# KiCad board AWS PROJECT.kicad_pcb
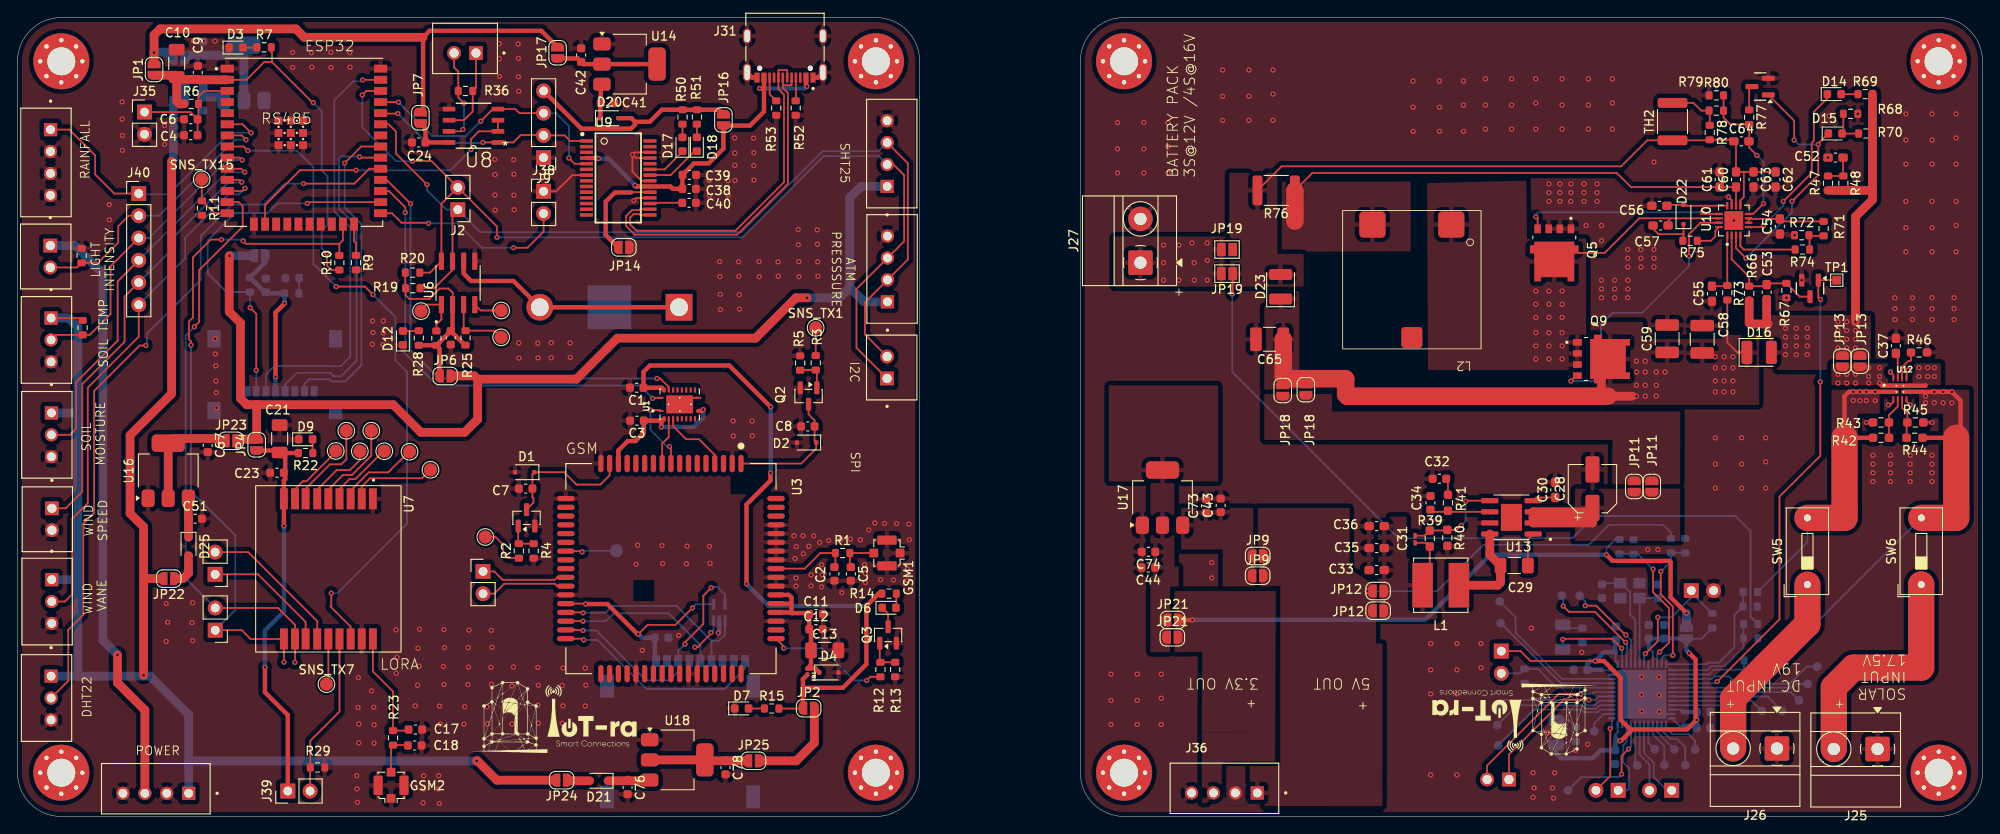
[diagram p0: board, top side]
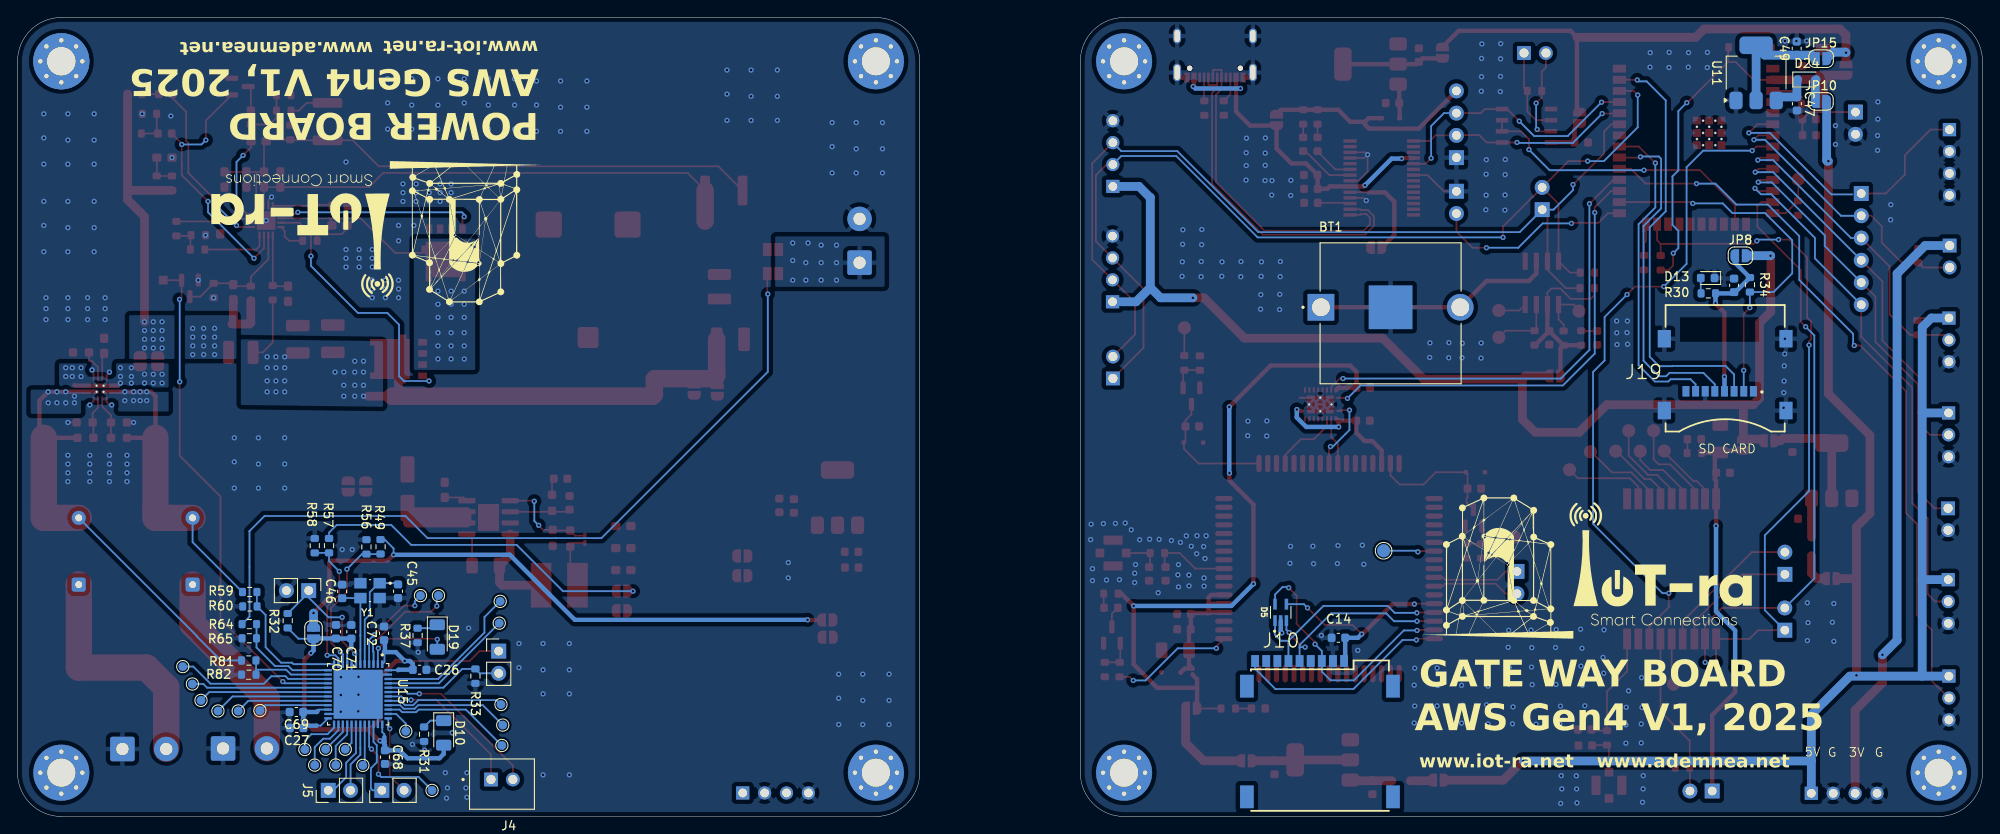
[diagram p1: board, bottom side, seen from below]

Outline 224.34 x 91.25 mm; copper layers: Top, Bottom. Coordinates in mm from the lower left corner of the outline.
Outline path: 224.34,86.25 arc(222.87,89.79) 219.34,91.25 126.34,91.25 arc(122.8,89.79) 121.34,86.25 121.34,5 arc(122.8,1.47) 126.34,0 219.34,0 arc(222.87,1.47) 224.34,5 224.34,86.25 ; 0,86.25 0,5 arc(1.46,1.46) 5,0 98,0 arc(101.54,1.46) 103,5 103,86.25 arc(101.54,89.79) 98,91.25 5,91.25 arc(1.46,89.79) 0,86.25
Stack: Top 0.035mm / dielectric 1.51mm FR4 er 4.5 / Bottom 0.035mm

## Placement (name value [footprint] x y rotation side)
BT1  BHX1-1225-PC  [BAT_BHX1-1225-PC]  67.58 58.16 180 bottom
C1  0.1uF  [C_0603_1608Metric]  70.69 48.97 180 top
C2  Cm  [C_0603_1608Metric]  93.26 27.71 270 top  (not fitted)
C3  0.1uF  [C_0603_1608Metric]  70.72 45.21 180 top
C4  0.1uF  [C_0603_1608Metric]  19.77 77.81 0 top
C5  Cm  [C_0603_1608Metric]  95.14 27.71 270 top  (not fitted)
C6  1uF  [C_0603_1608Metric]  19.78 79.63 180 top
C7  0.1uF  [C_0603_1608Metric]  58.01 37.45 180 top
C8  0.1uF  [C_0603_1608Metric]  90.22 44.55 180 top
C9  0.1uF  [C_0603_1608Metric]  20.58 84.96 90 top
C10  22uF  [C_1206_3216Metric_Pad1.33x1.80mm_HandSolder]  18.17 86.02 90 top
C11  0.1uF  [C_0603_1608Metric]  91.16 23.12 0 top
C12  1uF  [C_0603_1608Metric]  91.16 21.39 0 top
C13  100uF  [C_1206_3216Metric_Pad1.33x1.80mm_HandSolder]  92.15 18.98 0 top
C14  0.1uF  [C_0603_1608Metric]  73.53 20.41 0 bottom
C17  Cm  [C_0603_1608Metric]  45.42 9.93 0 top  (not fitted)
C18  Cm  [C_0603_1608Metric]  45.35 8.11 0 top  (not fitted)
C21  10uF  [C_1206_3216Metric_Pad1.33x1.80mm_HandSolder]  29.93 43.14 90 top
C22  0.1uF  [C_0603_1608Metric]  49.46 54.67 270 top
C23  0.1uF  [C_0603_1608Metric]  29.62 39.26 180 top
C24  0.1uF  [C_0603_1608Metric]  45.8 76.98 180 top
C25  1uF  [C_0603_1608Metric]  28.36 60.66 90 bottom
C26  0.1uF  [C_0603_1608Metric]  178.43 16.76 180 bottom
C27  0.1uF  [C_0603_1608Metric]  192.46 10.11 0 bottom
C28  10uF  [CP_Elec_5x5.8]  179.81 37.44 90 top
C29  100nF  [C_1206_3216Metric_Pad1.33x1.80mm_HandSolder]  170.87 28.66 0 top
C30  10nF  [C_0603_1608Metric_Pad1.08x0.95mm_HandSolder]  175.56 37.3 90 top
C31  OPEN  [C_0201_0603Metric_Pad0.64x0.40mm_HandSolder]  159.56 31.66 90 top
C32  2.7nF  [C_0603_1608Metric]  162.34 38.58 180 top
C33  22uF  [C_0603_1608Metric_Pad1.08x0.95mm_HandSolder]  155.17 28.14 180 top
C34  33pF  [C_0603_1608Metric]  161.31 35.83 90 top
C35  22uF  [C_0603_1608Metric_Pad1.08x0.95mm_HandSolder]  155.17 30.65 180 top
C36  22uF  [C_0603_1608Metric_Pad1.08x0.95mm_HandSolder]  155.17 33.16 180 top
C37  0.01uF  [C_0603_1608Metric_Pad1.08x0.95mm_HandSolder]  214.45 53.75 90 top
C38  0.1uF  [C_0603_1608Metric]  76.68 71.68 0 top
C39  4.7uF  [C_0603_1608Metric]  76.7 73.28 0 top
C40  0.1uF  [C_0603_1608Metric]  76.67 70.09 0 top
C41  10uF  [C_0603_1608Metric]  67.36 81.48 0 top
C42  1uF  [C_0603_1608Metric]  64.35 86.96 90 top
C43  10uF  [C_0603_1608Metric]  137.36 35.53 90 top
C44  1uF  [C_0603_1608Metric]  129.1 28.43 180 top
C45  22pF  [C_0603_1608Metric]  180.89 25.73 90 bottom
C46  22pF  [C_0603_1608Metric]  187.27 25.7 270 bottom
C47  10uF  [C_0603_1608Metric]  21.19 81.41 270 bottom
C49  1uF  [C_0603_1608Metric]  21.21 87.73 90 bottom
C51  10uF  [C_0603_1608Metric]  20.28 34.01 0 top
C52  2.2uF  [C_0603_1608Metric_Pad1.08x0.95mm_HandSolder]  207.56 75.25 180 top
C53  22pF  [C_0603_1608Metric_Pad1.08x0.95mm_HandSolder]  199.7 59.88 90 top
C54  1uF  [C_0603_1608Metric_Pad1.08x0.95mm_HandSolder]  201.2 67.39 270 top
C55  1uF  [C_0603_1608Metric_Pad1.08x0.95mm_HandSolder]  193.45 59.71 270 top
C56  0.1uf  [C_0603_1608Metric_Pad1.08x0.95mm_HandSolder]  187.59 67.5 0 top
C57  1uF  [C_0603_1608Metric_Pad1.08x0.95mm_HandSolder]  187.45 69.75 180 top
C58  10uF  [C_1210_3225Metric_Pad1.33x2.70mm_HandSolder]  192.34 54.5 90 top
C59  10uF  [C_1210_3225Metric_Pad1.33x2.70mm_HandSolder]  188.34 54.57 90 top
C60  2.2uF  [C_0603_1608Metric_Pad1.08x0.95mm_HandSolder]  196.2 72.75 90 top
C61  0.1uF  [C_0603_1608Metric_Pad1.08x0.95mm_HandSolder]  194.34 72.75 90 top
C62  10uF  [C_0603_1608Metric_Pad1.08x0.95mm_HandSolder]  200.71 72.75 270 top
C63  1uF  [C_0603_1608Metric_Pad1.08x0.95mm_HandSolder]  198.2 72.75 270 top
C64  22pF  [C_0603_1608Metric_Pad1.08x0.95mm_HandSolder]  196.81 77.12 0 top
C65  10uF  [C_1210_3225Metric_Pad1.33x2.70mm_HandSolder]  142.95 54.5 180 top
C67  1uF  [C_0603_1608Metric]  21.71 42.39 270 top
C68  0.1uF  [C_0603_1608Metric]  182.38 6.78 270 bottom
C69  0.1uF  [C_0603_1608Metric]  192.5 11.93 0 bottom
C70  4.7uF  [C_0603_1608Metric]  187.97 21.11 90 bottom
C71  10nF  [C_0603_1608Metric]  186.23 21.1 90 bottom
C72  4.7uF  [C_0603_1608Metric]  182.49 20.92 90 bottom
C73  10uF  [C_0603_1608Metric]  135.69 35.46 90 top
C74  1uF  [C_0603_1608Metric]  129.12 30.23 180 top
C76  10uF  [C_0603_1608Metric]  69.65 3.32 270 top
C78  1uF  [C_0603_1608Metric]  80.83 5.59 270 top
D1  PESDHC3D3V3U  [D_SOD-323F]  57.91 39.32 180 top
D2  PESDHC3D3V3U  [D_SOD-323F]  90.08 42.71 180 top
D3  NET_LED  [D_0603_1608Metric]  24.95 87.82 0 top
D4  PESDHC3D3V3U  [D_SOD-323F]  92.63 16.45 0 top
D5  ESDA6V1W5  [SOT65P210X110-5N]  80.12 23.31 90 bottom
D6  NET_LED  [D_0603_1608Metric]  99.5 23.83 0 top
D7  NET_LED  [D_0603_1608Metric]  82.67 12.34 0 top
D9  NET_LED  [D_0603_1608Metric]  32.9 43.08 0 top
D10  red  [LED_1206_3216Metric]  175.68 9.55 270 bottom
D12  NET_LED  [D_0603_1608Metric]  44 54.66 90 top
D13  NET_LED  [D_0603_1608Metric]  31.38 61.5 0 bottom
D14  NET_LED  [D_0603_1608Metric]  207.41 82.5 0 top
D15  NET_LED  [D_0603_1608Metric]  207.52 78 0 top
D16  D  [D_1210_3225Metric]  198.84 53 0 top
D17  NET_LED  [D_0603_1608Metric]  75.91 76.78 90 top
D18  NET_LED  [D_0603_1608Metric]  77.56 76.78 90 top
D19  green  [LED_1206_3216Metric]  176.41 20.5 270 bottom
D20  1N5819WS  [D_SOD-323]  67.59 79.75 0 top
D21  1N5819WS  [D_SOD-323]  66.38 4.08 180 top
D22  PESDHC3D3V3U  [D_SOD-323F]  190.2 68.75 90 top
D23  D  [D_1210_3225Metric]  144.2 60.5 90 top
D24  1N5819WS  [D_SOD-323]  20.05 84.17 180 bottom
D25  1N5819WS  [D_SOD-323]  19.52 30.85 270 top
FB1  FerriteBead_Small  [BEADC0603X33N]  90.18 16.55 270 top
GSM1  U.FL-R-SMT(10)  [U.FL_Molex_MCRF_73412-0110_Vertical]  99.26 30.09 270 top
GSM2  U.FL-R-SMT(10)  [U.FL_Molex_MCRF_73412-0110_Vertical]  42.64 3.56 180 top
J1  Conn_01x02_Pin  [PinHeader_1x02_P2.54mm_Vertical]  53.15 27.99 0 top
J2  Conn_01x02_Pin  [PinHeader_1x02_P2.54mm_Vertical]  50.27 69.31 180 top
J4  B2B-XH-A_LF__SN_  [JST_B2B-XH-A_LF__SN_]  169.03 3.7 0 bottom
J5  Conn_01x02_Pin  [PinHeader_1x02_P2.54mm_Vertical]  188.86 2.99 90 bottom
J6  Conn_01x02_Pin  [PinHeader_1x02_P2.54mm_Vertical]  182.75 2.99 90 bottom
J7  Conn_01x02_Pin  [PinHeader_1x02_P2.54mm_Vertical]  169.4 18.89 180 bottom
J8  Conn_01x02_Pin  [PinHeader_1x02_P2.54mm_Vertical]  191.09 25.8 270 bottom
J9  Conn_01x04_Pin  [PinHeader_1x04_P2.54mm_Vertical]  60.06 75.25 180 top
J10  SIM7100-8-1-15-00-A_REVC  [GCT_SIM7100-8-1-15-00-A_REVC]  75.64 9.54 180 bottom
J12  Conn_01x02_Pin  [PinHeader_1x02_P2.54mm_Vertical]  22.57 21.27 180 top
J13  Conn_01x02_Pin  [PinHeader_1x02_P2.54mm_Vertical]  22.56 27.66 180 top
J14  B2B-XH-A_LF__SN_  [JST_B2B-XH-A_LF__SN_]  3.4 33.95 90 top
J15  B2B-XH-A_LF__SN_  [JST_B2B-XH-A_LF__SN_]  3.22 63.96 90 top
J16  B4B-XH-A_LF__SN_  [JST_B4B-XH-A_LF__SN_]  3.24 74.7 90 top
J17  B4B-XH-A_LF__SN_  [JST_B4B-XH-A_LF__SN_]  99.81 75.71 270 top
J18  B4B-XH-A_LF__SN_  [JST_B4B-XH-A_LF__SN_]  15.79 3.17 0 top
J19  MEM2067-02-180-00-A_REVB  [GCT_MEM2067-02-180-00-A_REVB]  29.38 51.19 180 bottom
J20  B3B-XH-A_LF__SN_  [JST_B3B-XH-A_LF__SN_]  3.34 43.59 90 top
J21  B3B-XH-A_LF__SN_  [JST_B3B-XH-A_LF__SN_]  3.3 54.43 90 top
J24  B2B-XH-A_LF__SN_  [JST_B2B-XH-A_LF__SN_]  51.09 87.72 0 top
J25  Screw_Terminal_01x02  [TerminalBlock_MetzConnect_Type011_RT05502HBWC_1x02_P5.00mm_Horizontal]  212.36 7.71 180 top
J26  Screw_Terminal_01x02  [TerminalBlock_MetzConnect_Type011_RT05502HBWC_1x02_P5.00mm_Horizontal]  200.87 7.77 180 top
J27  Screw_Terminal_01x02  [TerminalBlock_MetzConnect_Type011_RT05502HBWC_1x02_P5.00mm_Horizontal]  128.2 63.25 90 top
J28  B4B-XH-A_LF__SN_  [JST_B4B-XH-A_LF__SN_]  99.84 62.54 270 top
J29  B2B-XH-A_LF__SN_  [JST_B2B-XH-A_LF__SN_]  99.8 51.28 270 top
J31  TYPE-C-31-M-12  [HRO_TYPE-C-31-M-12]  87.62 89.14 180 top
J32  B3B-XH-A_LF__SN_  [JST_B3B-XH-A_LF__SN_]  3.31 13.53 90 top
J35  Conn_01x02_Pin  [PinHeader_1x02_P2.54mm_Vertical]  14.5 80.45 0 top
J36  B4B-XH-A_LF__SN_  [JST_B4B-XH-A_LF__SN_]  137.79 3.21 0 top
J37  B3B-XH-A_LF__SN_  [JST_B3B-XH-A_LF__SN_]  3.38 24.55 90 top
J38  Conn_01x02_Pin  [PinHeader_1x02_P2.54mm_Vertical]  60.06 71.41 0 top
J39  Conn_01x02_Pin  [PinHeader_1x02_P2.54mm_Vertical]  30.86 2.91 90 top
J40  Conn_01x06_Pin  [PinHeader_1x06_P2.54mm_Vertical]  13.84 71.15 0 top
JP1  Jumper_2_Small_Open  [SolderJumper-2_P1.3mm_Open_RoundedPad1.0x1.5mm]  15.59 85.31 90 top
JP2  Jumper_2_Small_Open  [SolderJumper-2_P1.3mm_Open_RoundedPad1.0x1.5mm]  90.32 12.37 0 top
JP4  Jumper_2_Small_Open  [SolderJumper-2_P1.3mm_Open_RoundedPad1.0x1.5mm]  27.3 42.45 90 top
JP6  Jumper_2_Small_Open  [SolderJumper-2_P1.3mm_Open_RoundedPad1.0x1.5mm]  48.83 50.31 0 top
JP7  Jumper_2_Small_Open  [SolderJumper-2_P1.3mm_Open_RoundedPad1.0x1.5mm]  45.99 79.8 90 top
JP8  Jumper_2_Small_Open  [SolderJumper-2_P1.3mm_Open_RoundedPad1.0x1.5mm]  27.63 64.05 180 bottom
JP9  Jumper_2_Small_Open  [SolderJumper-2_P1.3mm_Open_RoundedPad1.0x1.5mm]  141.59 27.5 0 top
JP9#2  Jumper_2_Small_Open  [SolderJumper-2_P1.3mm_Open_RoundedPad1.0x1.5mm]  141.59 29.75 0 top
JP10  Jumper_2_Small_Open  [SolderJumper-2_P1.3mm_Open_RoundedPad1.0x1.5mm]  18.44 81.67 180 bottom
JP11  Jumper_2_Small_Open  [SolderJumper-2_P1.3mm_Open_RoundedPad1.0x1.5mm#2]  184.58 37.69 90 top
JP11#2  Jumper_2_Small_Open  [SolderJumper-2_P1.3mm_Open_RoundedPad1.0x1.5mm]  186.58 37.69 90 top
JP12  Jumper_2_Small_Open  [SolderJumper-2_P1.3mm_Open_RoundedPad1.0x1.5mm]  155.34 25.75 180 top
JP12#2  Jumper_2_Small_Open  [SolderJumper-2_P1.3mm_Open_RoundedPad1.0x1.5mm]  155.34 23.5 180 top
JP13  Jumper_2_Small_Open  [SolderJumper-2_P1.3mm_Open_RoundedPad1.0x1.5mm]  210.34 52 90 top
JP13#2  Jumper_2_Small_Open  [SolderJumper-2_P1.3mm_Open_RoundedPad1.0x1.5mm]  208.34 52 90 top
JP14  Jumper_2_Small_Open  [SolderJumper-2_P1.3mm_Open_RoundedPad1.0x1.5mm]  69.22 65 0 top
JP15  Jumper_2_Small_Open  [SolderJumper-2_P1.3mm_Open_RoundedPad1.0x1.5mm]  18.43 86.55 180 bottom
JP16  Jumper_2_Small_Open  [SolderJumper-2_P1.3mm_Open_RoundedPad1.0x1.5mm]  80.59 79.56 90 top
JP17  Jumper_2_Small_Open  [SolderJumper-2_P1.3mm_Open_RoundedPad1.0x1.5mm]  61.66 87.23 90 top
JP18  Jumper_2_Small_Open  [SolderJumper-2_P1.3mm_Open_RoundedPad1.0x1.5mm]  144.45 48.65 270 top
JP18#2  Jumper_2_Small_Open  [SolderJumper-2_P1.3mm_Open_RoundedPad1.0x1.5mm]  147.09 48.75 270 top
JP19  Jumper_2_Small_Open  [SolderJumper-2_P1.3mm_Open_Pad1.0x1.5mm]  138.09 64.75 180 top
JP19#2  Jumper_2_Small_Open  [SolderJumper-2_P1.3mm_Open_Pad1.0x1.5mm]  138.09 62 180 top
JP20  Jumper_2_Small_Open  [SolderJumper-2_P1.3mm_Open_RoundedPad1.0x1.5mm]  190.54 20.95 90 bottom
JP21  Jumper_2_Small_Open  [SolderJumper-2_P1.3mm_Open_RoundedPad1.0x1.5mm]  131.84 20.47 0 top
JP21#2  Jumper_2_Small_Open  [SolderJumper-2_P1.3mm_Open_RoundedPad1.0x1.5mm]  131.88 22.44 0 top
JP22  Jumper_2_Small_Open  [SolderJumper-2_P1.3mm_Open_RoundedPad1.0x1.5mm]  17.27 27.17 180 top
JP23  Jumper_2_Small_Open  [SolderJumper-2_P1.3mm_Open_RoundedPad1.0x1.5mm]  24.37 42.91 0 top
JP24  Jumper_2_Small_Open  [SolderJumper-2_P1.3mm_Open_RoundedPad1.0x1.5mm]  62.12 4.15 180 top
JP25  Jumper_2_Small_Open  [SolderJumper-2_P1.3mm_Open_RoundedPad1.0x1.5mm]  84.03 6.36 0 top
L1  SRN6045TA-3R3Y  [L_Bourns_SRN6045TA]  162.49 26.41 180 top
L2  6.1uH  [CDEP147NP-6R1MC-95]  159.19 67.6 180 top
NOREF  -  [unnamed]  219.34 86.25 180 top
PB1  TestPoint  [TestPoint_Pad_D1.0mm]  204.37 15.13 270 bottom
PB2  TestPoint  [TestPoint_Pad_D1.0mm]  186.92 7.68 270 bottom
PB3  TestPoint  [TestPoint_Pad_D1.0mm]  205.47 17.12 270 bottom
PB4  TestPoint  [TestPoint_Pad_D1.0mm]  184.91 5.84 270 bottom
PB5  TestPoint  [TestPoint_Pad_D1.0mm]  177.01 2.98 270 bottom
PB6  TestPoint  [TestPoint_Pad_D1.0mm]  178.33 25.23 270 bottom
PB7  TestPoint  [TestPoint_Pad_D1.0mm]  176.28 25.24 270 bottom
PB8  TestPoint  [TestPoint_Pad_D1.0mm]  180.01 9.74 180 bottom
PB9  TestPoint  [TestPoint_Pad_D1.0mm]  199.14 12.05 180 bottom
PB11  TestPoint  [TestPoint_Pad_D1.0mm]  169.34 22.08 270 bottom
PB12  TestPoint  [TestPoint_Pad_D1.0mm]  169.23 24.57 270 bottom
PB13  TestPoint  [TestPoint_Pad_D1.0mm]  196.66 12.1 270 bottom
PB14  TestPoint  [TestPoint_Pad_D1.0mm]  191.53 7.65 270 bottom
PB15  TestPoint  [TestPoint_Pad_D1.0mm]  190.41 5.87 270 bottom
PB16  TestPoint  [TestPoint_Pad_D1.0mm]  189.16 7.68 270 bottom
PB17  TestPoint  [TestPoint_Pad_D1.0mm]  188.01 5.88 270 bottom
PB18  TestPoint  [TestPoint_Pad_D1.0mm]  169.14 12.79 270 bottom
PB19  TestPoint  [TestPoint_Pad_D1.0mm]  168.94 10.44 270 bottom
PB20  TestPoint  [TestPoint_Pad_D1.0mm]  169.04 8.11 270 bottom
PB21  TestPoint  [TestPoint_Pad_D1.0mm]  203.39 13.26 270 bottom
PB22  TestPoint  [TestPoint_Pad_D1.0mm]  201.45 12.05 270 bottom
Q1  MMBT3904  [SOT-23]  58.11 34.11 90 top
Q2  MMBT3904  [SOT-23]  90.31 48.02 270 top
Q3  MMBT3904  [SOT-23]  99.39 20.73 90 top
Q4  2N7002  [Q_SOT-23]  204.65 60.31 270 top
Q5  NMOS  [TRANS_NVMFS5834NLWFT1G]  175.45 64.37 270 top
Q9  NMOS  [TRANS_NVMFS5834NLWFT1G]  180.84 52.25 0 top
Q12  2N7002  [Q_SOT-23]  198.95 83.37 180 top
R1  0R  [R_0603_1608Metric]  94.2 30.09 0 top
R2  4.7k  [R_0603_1608Metric]  57.23 30.33 90 top
R3  4.7k  [R_0603_1608Metric]  91.13 51.81 270 top
R4  4.7k  [R_0603_1608Metric]  58.92 30.33 90 top
R5  4.7k  [R_0603_1608Metric]  89.35 51.79 270 top
R6  10k  [R_0603_1608Metric]  19.83 81.39 0 top
R7  1k  [R_0603_1608Metric]  28.16 87.85 0 top
R8  10k  [R_0603_1608Metric]  7.32 64.06 270 top
R9  10k  [R_0603_1608Metric]  38.64 63.26 270 top
R10  10k  [R_0603_1608Metric]  36.74 63.24 90 top  (not fitted)
R11  10k  [R_0603_1608Metric]  21.06 69.49 270 top
R12  4.7k  [R_0603_1608Metric]  98.51 16.77 90 top
R13  4.7k  [R_0603_1608Metric]  100.2 16.78 90 top
R14  1k  [R_0603_1608Metric]  99.51 25.45 180 top
R15  1k  [R_0603_1608Metric]  86.1 12.33 0 top
R19  4.7k  [R_0603_1608Metric]  45.13 60.34 180 top
R20  4.7k  [R_0603_1608Metric]  45.1 62.12 180 top
R22  1k  [R_0603_1608Metric]  32.89 41.51 180 top
R23  0R  [R_0603_1608Metric]  42.87 8.98 270 top
R24  4.7k  [R_0603_1608Metric]  47.82 54.63 270 top
R25  4.7k  [R_0603_1608Metric]  51.15 54.66 270 top
R28  1k  [R_0603_1608Metric]  45.81 54.65 270 top
R29  10k  [R_0603_1608Metric]  34.25 5.6 180 top
R30  1k  [R_0603_1608Metric]  31.3 59.75 180 bottom
R31  10K  [R_0603_1608Metric]  177.92 9.4 90 bottom
R32  10K  [R_0603_1608Metric]  193.49 22.36 270 bottom
R33  10K  [R_0603_1608Metric]  172.06 16.03 90 bottom
R34  1k  [R_0603_1608Metric]  26.55 60.72 90 bottom
R35  4.7k  [R_0603_1608Metric]  7.43 55.83 90 top
R36  120  [R_0603_1608Metric]  51.14 82.86 0 top
R37  330  [R_0603_1608Metric]  178.66 20.68 90 bottom
R39  5K1  [R_0603_1608Metric_Pad0.98x0.95mm_HandSolder]  161.24 31.75 90 top
R40  5K1  [R_0603_1608Metric_Pad0.98x0.95mm_HandSolder]  163.24 31.83 270 top
R41  5K1  [R_0603_1608Metric_Pad0.98x0.95mm_HandSolder]  163.31 35.83 270 top
R42  23.7k  [R_0603_1608Metric_Pad0.98x0.95mm_HandSolder]  212.75 43.25 0 top
R43  5k  [R_0603_1608Metric_Pad0.98x0.95mm_HandSolder]  212.75 45 180 top
R44  23.7k  [R_0603_1608Metric_Pad0.98x0.95mm_HandSolder]  216.59 43.25 180 top
R45  5k  [R_0603_1608Metric_Pad0.98x0.95mm_HandSolder]  216.67 45 0 top
R46  51.1K  [R_0603_1608Metric_Pad0.98x0.95mm_HandSolder]  217.09 53 0 top
R47  3.9  [R_0603_1608Metric]  206.7 72.33 270 top
R48  3.9  [R_0603_1608Metric]  208.45 72.33 270 top
R49  10K  [R_0603_1608Metric]  182.89 30.8 270 bottom
R50  270R  [R_0603_1608Metric]  75.92 79.89 90 top
R51  270R  [R_0603_1608Metric]  77.56 79.89 90 top
R52  5.1k  [R_0603_1608Metric]  88.84 80.91 90 top
R53  5.1k  [R_0603_1608Metric]  86.62 80.91 90 top
R56  20k  [R_0603_1608Metric]  184.5 30.79 90 bottom
R57  10K  [R_0603_1608Metric]  188.77 30.93 270 bottom
R58  13k  [R_0603_1608Metric]  190.4 30.93 90 bottom
R59  10K  [R_0603_1608Metric]  197.83 25.64 180 bottom
R60  1.5K  [R_0603_1608Metric]  197.81 23.99 0 bottom
R64  10K  [R_0603_1608Metric]  197.87 21.97 180 bottom
R65  2k  [R_0603_1608Metric]  197.88 20.35 0 bottom
R66  499K  [R_0603_1608Metric]  197.7 59.74 270 top
R67  36K  [R_0603_1608Metric]  201.95 60.07 90 top
R68  25k  [R_0603_1608Metric]  209.27 80.25 180 top
R69  10K  [R_0603_1608Metric]  210.95 82.5 0 top
R70  10K  [R_0603_1608Metric]  211.02 78 0 top
R71  5.23k  [R_0603_1608Metric]  206.2 67.14 90 top
R72  7.5k  [R_0603_1608Metric]  203.7 66.39 0 top
R73  10  [R_0603_1608Metric]  195.2 59.82 270 top
R74  100  [R_0603_1608Metric]  203.77 64.75 180 top
R75  2.2  [R_0603_1608Metric]  190.95 65.75 0 top
R76  10  [R_1812_4532Metric]  143.7 71.5 180 top
R77  4.22M  [R_0603_1608Metric]  197.7 79.87 270 top
R78  154k  [R_0603_1608Metric]  193.2 78.12 270 top
R79  887k  [R_0603_1608Metric]  193.95 80.62 180 top
R80  162k  [R_0603_1608Metric]  193.95 82.37 0 top
R81  10K  [R_0603_1608Metric]  197.94 17.82 180 bottom
R82  1.2K  [R_0603_1608Metric]  197.93 16.2 0 bottom
REF**  -  [MountingHole_3.2mm_M3_Pad_Via]  98 5 0 top
REF**#2  -  [MountingHole_3.2mm_M3_Pad_Via]  98 86.25 90 top
REF**#3  -  [MountingHole_3.2mm_M3_Pad_Via]  126.34 86.25 180 top
REF**#4  -  [MountingHole_3.2mm_M3_Pad_Via]  5 5 270 top
REF**#5  -  [MountingHole_3.2mm_M3_Pad_Via]  219.34 86.25 90 top
REF**#6  -  [MountingHole_3.2mm_M3_Pad_Via]  126.34 5 270 top
REF**#7  -  [MountingHole_3.2mm_M3_Pad_Via]  219.34 5 0 top
REF**#8  -  [MountingHole_3.2mm_M3_Pad_Via]  5 86.25 180 top
SNS_TX1  TestPoint  [TestPoint_Pad_D1.5mm]  91.12 55.82 0 top
SNS_TX2  TestPoint  [TestPoint_Pad_D1.5mm]  39.08 41.72 0 top
SNS_TX3  TestPoint  [TestPoint_Pad_D1.5mm]  40.39 44.06 0 top
SNS_TX4  TestPoint  [TestPoint_Pad_D1.5mm]  41.87 41.72 0 top
SNS_TX5  TestPoint  [TestPoint_Pad_D1.5mm]  44.76 41.66 0 top
SNS_TX6  TestPoint  [TestPoint_Pad_D1.5mm]  47.15 39.6 0 top
SNS_TX7  TestPoint  [TestPoint_Pad_D1.5mm]  35.27 15.11 0 top
SNS_TX8  TestPoint  [TestPoint_Pad_D1.5mm]  46.06 57.72 0 top
SNS_TX9  TestPoint  [TestPoint_Pad_D1.5mm]  55.21 54.72 0 top
SNS_TX10  TestPoint  [TestPoint_Pad_D1.5mm]  55.22 57.79 0 top
SNS_TX11  TestPoint  [TestPoint_Pad_D1.5mm]  37.54 44.06 0 top
SNS_TX12  TestPoint  [TestPoint_Pad_D1.5mm]  36.33 41.75 0 top
SNS_TX13  TestPoint  [TestPoint_Pad_D1.5mm]  53.41 31.92 0 top
SNS_TX14  TestPoint  [TestPoint_Pad_D1.5mm]  68.37 30.35 180 bottom
SNS_TX15  TestPoint  [TestPoint_Pad_D1.5mm]  21.03 72.78 0 top
SW5  SW_SPST  [SW_DIP_SPSTx01_Slide_9.78x4.72mm_W7.62mm_P2.54mm]  204.35 26.49 90 top
SW6  SW_SPST  [SW_DIP_SPSTx01_Slide_9.78x4.72mm_W7.62mm_P2.54mm]  217.35 26.49 90 top
TH2  100k  [R_1812_4532Metric]  188.95 79.37 90 top
TP1  TestPoint  [TestPoint_Pad_1.0x1.0mm]  207.7 61.25 0 top
U1  TXB0108RGYR  [IC_TXB0108RGYR]  75.6 47.06 90 top
U2  ESP32-WROOM-32E__4MB_HIGH_TEMP_  [MODULE_ESP32-WROOM-32UE_M113EH6400UH3Q0_]  32.7 77 0 top
U3  SIM7000E  [SIMCON_SIM7000E]  74.6 28.31 270 top
U6  DS3231MZ_TRL  [SOIC127P600X175-8N#2]  50.3 60.94 90 top
U7  Ai-Thinker RA-08H  [RA-08H]  35.49 28.28 270 top
U8  ST3485EBDR  [SOIC127P600X175-8N]  52.06 78.89 180 top
U9  FT232RL-REEL  [SOP65P780X200-28N]  68.58 72.93 0 top
U10  BQ24650RVAR  [QFN50P350X350X100-17N]  195.95 68.07 90 top
U11  AMS1117-3.3  [SOT-223-3_TabPin2]  25.84 84.93 90 bottom
U12  TPS2121RUXR  [IC_TPS2121RUXR]  214.91 48.85 0 top
U13  AP64501SP-13  [SOIC127P600X170-9N]  170.56 34.16 180 top
U14  AMS1117-3.3  [SOT-223-3_TabPin2]  69.87 85.93 0 top
U15  STM32F401CCU6  [QFN50P700X700X60-49N]  185.44 13.96 270 bottom
U16  AMS1117-3.3  [SOT-223-3_TabPin2]  17.21 39.49 90 top
U17  AMS1117-3.3  [SOT-223-3_TabPin2]  130.72 36.42 90 top
U18  AMS1117-3.3  [SOT-223-3_TabPin2]  75.32 6.46 0 top
Y1  C3E-25.000-12-3030-X-R  [XTAL_C3E-25.000-12-3030-X-R]  184.08 25.79 0 bottom
